# Allegro board 20250806_UNOQ.brd (continued)
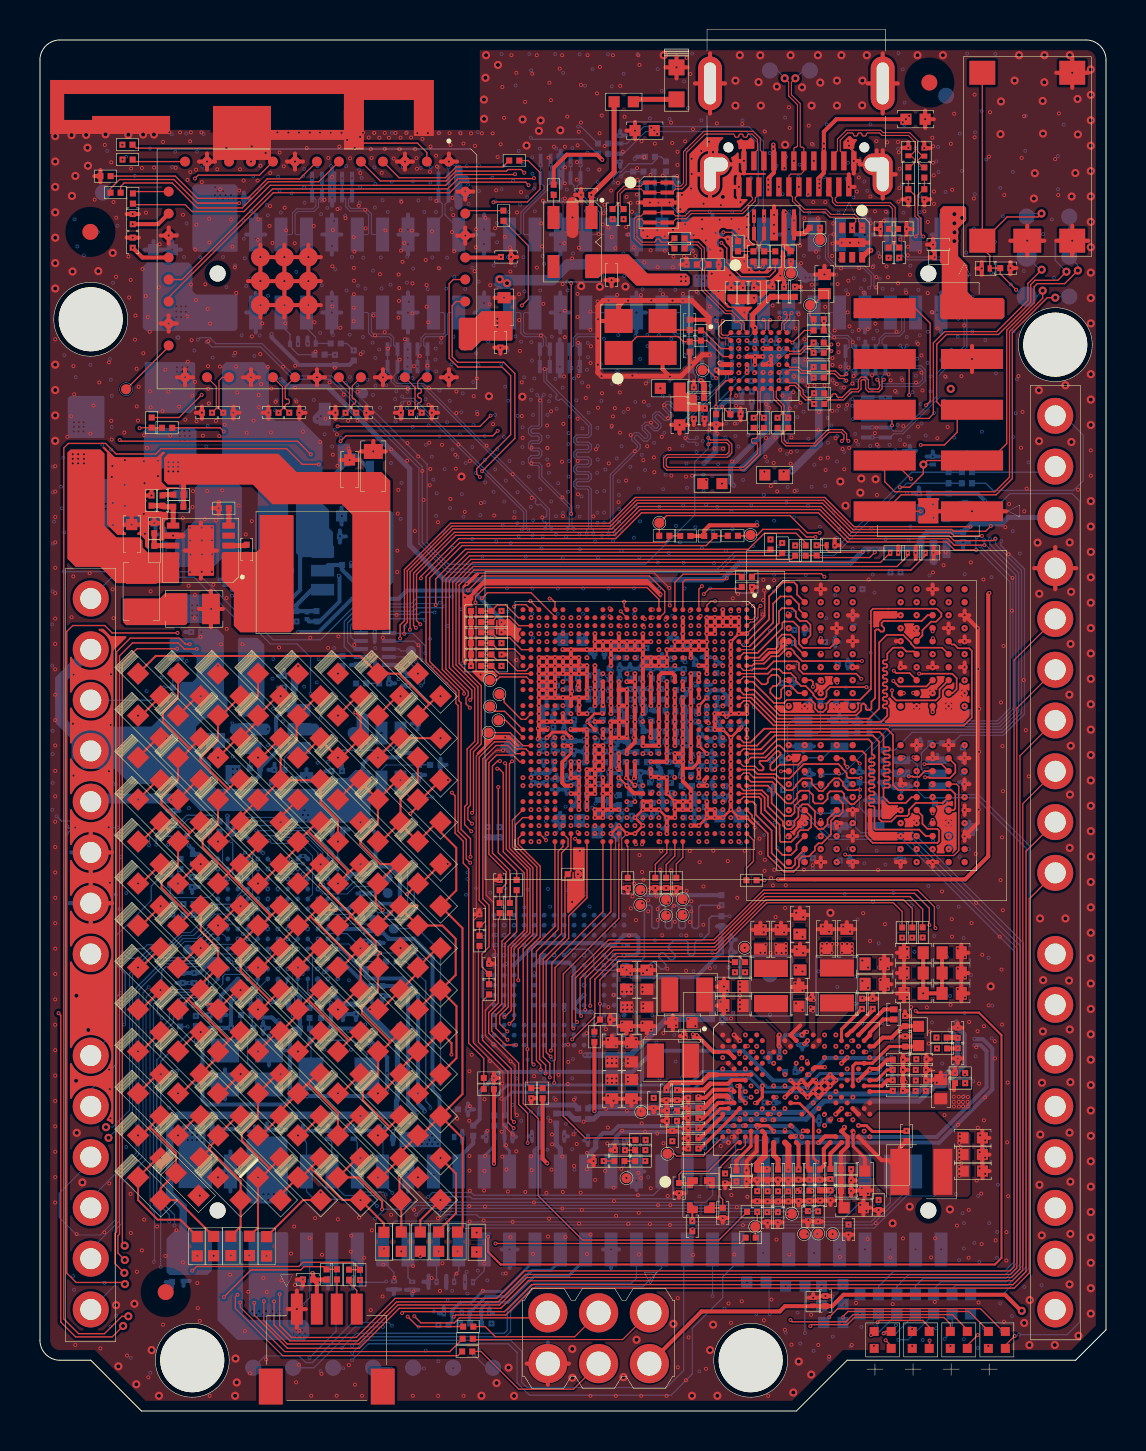
[diagram p0: board, top side]
## Routing (per net, layer and track width the routed paths; a pad name or vN(x,y) marks a point on that pad's centre or on a via; arc(x,y) is an arc through that point) (continued)
SM_RESIN_N: length 28.1
  TOP w0.066: v2(24.4,13.41) 24.4,14.89 23.95,15.34 23.95,17.4 22.45,18.9 22.45,19.93 22.93,20.41 22.93,24.6 23,24.67 R1201.1
  S3 w0.064: v2(37.85,15.7) 37.45,15.7 37.13,16.02 36.66,16.02 36.09,16.59 30.88,16.59 30.1,15.81 30.1,15.04 v2(30.05,14.99) 29.67,14.99 28.29,13.61 24.6,13.61 v2(24.4,13.41)
SM_RESIN_N_R: length 9.5
  TOP w0.066: R1201.2 C1201.1 23.34,26.4 23.34,26.97 22.46,27.85 22.46,32.43 22.84,32.81 23.67,32.81 24,32.48 SOC1.AJ20
SM_THERM: length 6.8
  S3 w0.064: v2(38.97,15.13) 38.97,15.33 39.08,15.43 39.49,15.43 40.16,14.76 40.16,14.41 40.05,14.3 40.05,14.13 41.96,12.22 v2(41.96,10.54)
SOC_BID0: length 2.8
  TOP w0.066: SOC1.AH3 23.97,39.28 23.51,39.74 22.87,39.74 R1316.1 R1315.2
SOC_BID1: length 2.5
  TOP w0.066: R1317.2 R1318.1 22.89,40.32 23.3,40.32 23.94,39.68 SOC1.AJ2
SOC_BT_UART_CTS: length 46.2
  TOP w0.064: v2(23.77,61.87) 23.75,61.85 20.84,61.85 20.3,61.31 11.51,61.31 10.2,60 7.61,60 7.27,60.34 4.71,60.34 R2906.1
  S3 w0.064: 34.04,40.4 34.04,42.52 24.91,51.65 24.91,56.57 23.89,57.59 23.89,61.75 v2(23.77,61.87)
  S3 w0.066: v2(33.77,40.08) 33.87,40.18 33.87,40.23 34.04,40.4
SOC_BT_UART_RTS: length 45.2
  TOP w0.066: SOC1.F1 33.37,40.08 33.37,40.3 33.57,40.5 v2(33.78,40.5)
  S3 w0.064: 33.89,40.62 33.89,42.44 24.75,51.58 24.75,55.97 v3(24.28,56.44) ; v3(8.44,60.12) 8.44,61.84 7.34,62.94 4.52,62.94 v2(4.12,63.34)
  S3 w0.066: 33.89,40.62 v2(33.78,40.5)
  V5 w0.064: v3(24.28,56.44) 23.67,55.83 22.46,55.83 21.57,56.72 12.31,56.72 10.14,58.89 9.67,58.89 v3(8.44,60.12)
SOC_BT_UART_RX: length 33.3
  TOP w0.064: R2901.1 24.42,62.55 25.02,61.95 25.02,61.11 24.38,60.48 22.71,60.48 v2(22.69,60.46)
  S3 w0.064: v2(32.51,40.02) 32.51,41.58 27.73,46.36 26.36,46.36 25.73,46.99 22.97,46.99 21.22,48.74 21.22,52.93 20.74,53.41 20.74,57.62 22.69,59.57 v2(22.69,60.46)
SOC_BT_UART_TX: length 24.4
  TOP w0.064: 32.97,40.35 32.97,40.08 SOC1.G1 ; v2(24.11,55.3) 24.43,55.62 24.43,58.29 R2908.1
  TOP w0.066: 32.97,40.35 32.97,41.11 v2(33.12,41.26)
  S3 w0.064: v2(24.11,55.3) 24.52,54.89 24.52,49.48 26.43,47.57 27.36,47.57 31.09,43.84 31.09,43.69 33.12,41.66 v2(33.12,41.26)
SOC_CAM_MCLK0: length 29.4
  TOP w0.05: 31.37,39.68 31.3,39.61 v2(31.3,39.58)
  TOP w0.066: v2(26.58,44.88) v2(26.58,56.42)
  S3 w0.05: 31.46,40.44 31.46,39.93 31.3,39.77 v2(31.3,39.58)
  S3 w0.064: v2(26.58,44.88) 27.92,44.88 31.46,41.34 31.46,40.44 ; v2(26.58,56.42) v3(26.58,64.25)
  S6 w0.064: v3(26.58,64.25) v5(26.93,64.25)
  BOTTOM w0.066: R2638.1 27.08,64.25 v5(26.93,64.25)
SOC_CAM_MCLK0_R: length 13.1
  BOTTOM w0.066: JMEDIA1.16 36.2,63.52 35.46,64.25 30.22,64.25 29.37,63.4 D26046.2 R2638.2
SOC_CAM_MCLK1: length 52
  TOP w0.066: v2(21.41,41.05) 22.14,41.77 30.49,41.77 31.26,41 31.26,39.95 31,39.68 SOC1.M2 ; v2(22.9,49.03) 22.65,48.78 15.31,48.78 v2(15.04,48.51)
  S3 w0.064: v3(24.31,63.81) 23.24,62.74 23.24,59.17 21.26,57.19 21.26,53.68 23.08,51.86 23.08,49.21 v2(22.9,49.03) ; v2(15.04,48.51) 15.04,47.98 15.5,47.52 15.5,45.35 18.43,42.42 20.17,42.42 21.41,41.18 v2(21.41,41.05)
  S6 w0.064: v3(24.31,63.81) 24.43,63.69 v5(24.56,63.69)
  BOTTOM w0.066: R2639.1 27.87,62.89 27.14,63.62 24.63,63.62 v5(24.56,63.69)
SOC_CAM_MCLK1_R: length 13.2
  BOTTOM w0.066: 34.92,58.85 34.92,59.38 35.94,60.4 35.94,63.4 35.34,64 30.31,64 29.2,62.89 D26047.2 R2639.2
SOC_GPIO18: length 91.6
  TOP w0.066: v2(21.79,40.44) 21.79,40.73 22.25,41.19 30.38,41.19 30.97,40.6 30.97,40.08 SOC1.M1
  S3 w0.064: v2(21.79,40.44) 21.06,40.44 v3(20.9,40.6)
  V5 w0.064: v3(0.97,41.78) 0.75,41.55 0.75,4.56 1.82,3.49 4.28,3.49 4.44,3.65 v3(5.58,3.65)
  S6 w0.064: v5(1.19,41.99) 1.18,41.99 v3(0.97,41.78) ; v5(20.62,40.74) 20.75,40.61 20.89,40.61 v3(20.9,40.6) ; v3(5.58,3.65) 6.43,4.5 8.78,4.5 10.78,2.5 13.32,2.5 v5(13.48,2.67)
  BOTTOM w0.066: JMISC1.49 14.81,7.87 D26075.2 14.81,3.99 v5(13.48,2.67) ; v5(20.62,40.74) 20.58,40.7 18.88,40.7 18.55,40.37 15.83,40.37 14.04,38.58 11.66,38.58 10.77,39.47 10.34,39.47 7.82,41.99 v5(1.19,41.99)
SOC_GPIO28: length 96.7
  TOP w0.066: v2(13.95,47.35) 13.13,47.35 12.34,48.14 6.06,48.14 5.79,47.87 3.81,47.87 3.28,48.4 1.42,48.4 1.19,48.17 1.19,4.61 1.93,3.87 3.23,3.87 4.1,4.74 v6(4.42,4.74)
  S3 w0.05: v2(30.97,38.88) 31.48,39.4 31.48,39.76 31.49,39.77 31.49,39.8 31.62,39.92 31.62,40.44
  S3 w0.064: v3(14.28,47.35) v2(13.95,47.35) ; 31.62,40.44 31.62,41.45 27.81,45.26 26.19,45.26 25.91,44.98 22.99,44.98 v3(22.05,45.92)
  S6 w0.064: v3(14.28,47.35) 14.41,47.35 15.57,46.19 17.57,46.19 18.22,45.54 21.66,45.54 v3(22.05,45.92)
  G7 w0.064: v5(13.15,5.33) 12.83,5.65 5.61,5.65 4.7,4.74 v6(4.42,4.74)
  BOTTOM w0.066: v5(13.15,5.33) 13.49,5.67 D26076.2 13.49,7.93 JMISC1.51
SOC_GPIO_0_SE0: length 39.5
  S3 w0.05: 29.58,29.47 v2(29.37,29.68) ; 29.15,28.33 29.31,28.49
  S3 w0.064: v3(14.38,15.95) 15.46,15.95 16.69,17.17 16.69,23.33 18.4,25.04 22.28,25.04 23.18,25.95 26.77,25.95 29.15,28.33 ; 29.58,29.47 29.58,28.87 29.55,28.84 29.55,28.81 29.44,28.7 29.41,28.7 29.31,28.6 29.31,28.49
  S6 w0.064: v5(21.67,6.45) 21.62,6.5 21.62,7.64 14.38,14.88 v3(14.38,15.95)
  BOTTOM w0.066: v5(21.67,6.45) 22.22,7 JMISC1.37
SOC_GPIO_1_SE0: length 39.4
  S3 w0.05: v2(29.37,29.28) 29.17,29.08 29.17,28.54 28.96,28.33 28.87,28.33
  S3 w0.064: 28.87,28.33 26.63,26.1 23.11,26.1 22.21,25.2 18.29,25.2 16.53,23.44 16.53,17.25 15.57,16.28 14.15,16.28 v3(13.84,15.98)
  S6 w0.064: v5(20.73,6.46) 21.09,6.82 21.09,7.95 13.84,15.2 v3(13.84,15.98)
  BOTTOM w0.066: v5(20.73,6.46) 20.73,6.79 20.95,7.01 JMISC1.39
SOC_GPIO_2_SE0: length 40.5
  S3 w0.05: 28.61,28.33 28.79,28.51 28.79,29.5 v2(28.97,29.68)
  S3 w0.064: 28.61,28.33 26.53,26.25 23.01,26.25 22.13,25.37 18.2,25.37 16.35,23.52 16.35,17.3 15.49,16.43 13.77,16.43 v3(13.31,15.98)
  S6 w0.064: v5(19.84,6.46) 20.24,6.46 20.8,7.02 20.8,8.02 13.31,15.51 v3(13.31,15.98)
  BOTTOM w0.066: JMISC1.41 19.84,7.93 v5(19.84,6.46)
SOC_GPIO_3_SE0: length 40.2
  S3 w0.05: v2(28.57,29.68) 28.39,29.5 28.39,28.53 28.19,28.33
  S3 w0.064: 28.19,28.33 26.41,26.55 22.91,26.55 22.03,25.68 18.03,25.68 16.07,23.72 16.07,17.45 15.38,16.76 13.18,16.76 v3(12.85,16.43)
  S6 w0.064: v5(18.62,6.46) 18.62,6.98 19.44,7.8 19.44,9.16 12.85,15.75 v3(12.85,16.43)
  BOTTOM w0.066: JMISC1.43 18.41,6.67 v5(18.62,6.46)
SOC_GPIO_82_SE0: length 41.4
  S3 w0.05: 28.39,28.33 28.57,28.51 v2(28.57,29.28)
  S3 w0.064: v3(12.22,15.95) 12.29,16.03 12.9,16.03 13.49,16.61 15.44,16.61 16.22,17.38 16.22,23.64 18.11,25.53 22.09,25.53 22.96,26.4 26.46,26.4 28.39,28.33
  S6 w0.064: v3(12.22,15.95) 12.32,15.85 12.32,15.14 18.34,9.12 18.34,7.64 17.32,6.62 v5(17.32,6.48)
  BOTTOM w0.066: v5(17.32,6.48) 17.28,6.44 D26074.2 16.06,7.9 JMISC1.47
SOC_GPIO_86_SE0: length 36.9
  TOP w0.05: 28.57,28.33 SOC1.V30
  TOP w0.066: 28.57,28.33 28.57,24.97 25.77,22.18 25.77,17.57 25.73,17.53 v2(25.73,16.41)
  S3 w0.064: v3(14.36,13.64) 18.82,13.64 21.59,16.41 v2(25.73,16.41)
  S6 w0.064: v3(14.36,13.64) 14.48,13.64 18.48,9.64 18.48,7.56 17.71,6.79 v5(17.71,6.48)
  BOTTOM w0.066: JMISC1.45 17.14,7.5 17.71,6.94 v5(17.71,6.48)
SOC_GPIO_98: length 85.6
  TOP w0.066: v2(6.88,38.92) 3.61,38.92 3.24,39.29 1.64,39.29 1.34,38.99 1.34,6.9 1.81,6.43 4.17,6.43 v6(4.25,6.35)
  G2 w0.064: v2(25.39,30.88) 24.99,31.28 v1(24.97,31.28)
  S3 w0.064: v2(6.88,38.92) 6.88,38.55 8.73,36.7 10.2,36.7 13.6,33.29 19.11,33.29 22.31,30.09 24.6,30.09 v2(25.39,30.88)
  G7 w0.064: v6(4.25,6.35) 4.53,6.07 16.55,6.07 18.3,7.82 18.3,10.24 v5(17.63,10.91)
  BOTTOM w0.066: v5(17.63,10.91) 17.14,11.4 17.14,11.98 17.16,12 17.16,13.46 D26091.2
SOC_GPIO_99: length 78.9
  TOP w0.066: v6(4.22,6.91) 3.75,7.38 3.75,8.87 3.84,8.96 3.84,37.98 4.52,38.66 6.97,38.66 7.27,38.36 v2(7.49,38.36)
  G2 w0.064: v1(24.57,31.28) v2(24.57,30.84)
  S3 w0.064: v2(24.57,30.84) 24.57,30.74 24.07,30.24 22.37,30.24 19.17,33.44 13.66,33.44 10.26,36.85 8.8,36.85 7.49,38.15 v2(7.49,38.36)
  G7 w0.064: v6(4.22,6.91) 4.33,6.91 5.05,6.19 16.44,6.19 18.14,7.89 18.14,9.99 v5(17.3,10.83)
  BOTTOM w0.066: D26092.2 15.69,13.62 15.87,13.44 15.87,11.24 16.16,10.95 17.18,10.95 v5(17.3,10.83)
SOC_GPIO_100: length 77.4
  TOP w0.066: v2(7.84,38.12) 7.22,38.12 6.92,38.42 4.63,38.42 3.98,37.77 3.98,8.85 3.9,8.77 3.9,7.9 v6(4.25,7.55)
  G2 w0.064: v1(24.17,31.28) v2(24.17,30.85)
  S3 w0.064: v2(7.84,38.12) 8.92,37.04 10.29,37.04 13.73,33.6 19.21,33.6 22.43,30.38 23.98,30.38 24.17,30.57 v2(24.17,30.85)
  G7 w0.064: v5(16.94,10.65) 17.24,10.35 17.24,7.17 16.39,6.32 5.48,6.32 v6(4.25,7.55)
  BOTTOM w0.066: v5(16.94,10.65) 16.81,10.78 15.24,10.78 14.6,11.42 14.6,13.44 14.42,13.62 D26093.2
SOC_GPIO_101: length 79.6
  TOP w0.066: v2(6.86,38.13) 4.85,38.13 4.12,37.4 4.12,8.39 v6(4.24,8.27)
  G2 w0.064: v1(25.77,31.68) v2(25.77,31.3)
  S3 w0.064: v2(6.86,38.13) 8.56,36.43 10.22,36.43 13.53,33.12 19.04,33.12 22.24,29.92 24.82,29.92 25.77,30.87 v2(25.77,31.3)
  G7 w0.064: v5(16.86,10.26) 17.1,10.02 17.1,7.23 16.33,6.46 5.59,6.46 4.77,7.28 4.77,7.74 v6(4.24,8.27)
  BOTTOM w0.066: D26094.2 13.15,13.62 13.33,13.44 13.33,10.99 13.73,10.59 16.53,10.59 v5(16.86,10.26)
SOC_I2S_D0: length 29.6
  TOP w0.064: v2(21.22,35.88) 21.22,36 20.13,37.09 20.13,41.67 21.41,42.95 36.42,42.95 36.55,43.09
  S3 w0.064: v2(21.22,35.88) 21.25,35.85 21.6,35.85 22.6,34.85 22.6,32.09 22.79,31.9 23.01,31.9 23.22,31.68 v2(24.17,31.68)
SOC_I2S_D0_R: length 9.8
  G2 w0.064: v2(36.37,51.69) 36.37,51.74 v1(36.53,51.89)
  S3 w0.064: v2(36.37,51.69) 36.37,51.41 36.02,51.05 35.46,51.05 35.1,50.7 35.1,46.81 36.55,45.36 v2(36.55,43.6)
SOC_I2S_SCK: length 31.7
  TOP w0.064: v2(21.51,35.18) 21.32,35.37 21.32,35.67 21.43,35.78 21.43,35.99 20.31,37.11 20.31,41.6 21.49,42.78 37,42.78 R3016.1
  S3 w0.064: v2(25.37,31.68) 25.16,31.47 24.62,31.47 24.39,31.25 23.24,31.25 22.97,31.52 22.67,31.52 22.21,31.98 22.21,34.73 21.76,35.18 v2(21.51,35.18)
SOC_I2S_SCK_R: length 10.4
  S3 w0.064: v2(37,51.97) 36.58,51.54 36.58,51.16 36.25,50.83 35.61,50.83 35.27,50.48 35.27,46.87 36.71,45.43 36.71,43.85 v2(37.14,43.42)
SOC_I2S_WS: length 30.8
  TOP w0.064: R3017.1 37.6,42.6 21.56,42.6 20.48,41.52 20.48,37.19 21.61,36.06 21.61,35.65 v2(21.53,35.57)
  S3 w0.064: v2(24.57,31.68) 24.33,31.44 23.25,31.44 22.98,31.71 22.72,31.71 22.39,32.04 22.39,34.85 21.65,35.59 21.55,35.59 v2(21.53,35.57)
SOC_I2S_WS_R: length 10.3
  S3 w0.064: v2(36.97,51.54) 36.97,51.2 36.42,50.65 35.71,50.65 35.45,50.39 35.45,46.95 36.89,45.51 36.89,44.19 v2(37.79,43.3)
SOC_LED1_BLU: length 54.7
  TOP w0.066: v2(22.11,40.66) 22.39,40.93 24.57,40.93 25.77,39.73 SOC1.AE2 ; v2(46.84,43.07) 45.76,43.07 45.36,43.47 40.41,43.47 38.95,44.93 30.1,44.93 28.81,43.64 20.95,43.64 19.06,41.75 v2(19.06,41.66)
  S3 w0.064: v2(19.06,41.66) 20.25,41.66 21.25,40.66 v2(22.11,40.66) ; v2(46.84,43.07) 46.84,43.3 v3(46.78,43.36)
  S6 w0.064: v3(46.78,43.36) 46.95,43.36 v5(47.05,43.26)
  BOTTOM w0.066: v5(47.05,43.26) 47.05,43.26 48.68,41.63 48.68,35.1 47.96,34.38 41.58,34.38 R2714.1
SOC_LED1_BLU_B: length 1.5
  BOTTOM w0.066: R2714.2 C2703.1 40.85,33.9 Q2708.2
SOC_LED1_BLU_C: length 42.3
  BOTTOM w0.066: R2725.2 41.95,6.22 42.73,7 48.28,7 48.76,7.48 48.76,22.98 43.15,28.59 39.48,28.59 37.7,30.37 37.7,32.6 37.4,32.9 37.4,34.3 37.65,34.55 Q2708.6
SOC_LED1_BLU_D: length 3.8
  TOP w0.066: v2(41.91,4.44) 42,4.53 44.17,4.53 44.49,4.21 D27301.3
  S3 w0.064: v2(41.91,4.44) 41.79,4.44 v3(41.61,4.62)
  S6 w0.064: v3(41.61,4.62) 41.84,4.85 v5(41.95,4.85)
SOC_LED1_GRN: length 54.7
  TOP w0.066: v2(47.8,43.64) 47.7,43.54 45.73,43.54 45.49,43.78 40.54,43.78 39.08,45.24 29.97,45.24 28.68,43.95 20.74,43.95 18.69,41.9 18.69,39.3 v2(18.81,39.18)
  S3 w0.064: v2(18.81,39.18) 18.89,39.1 24.02,39.1 24.2,39.28 v2(25.37,39.28) ; v2(47.8,43.64) 47.94,43.64 48.1,43.8 v3(48.1,43.82)
  S6 w0.064: v3(48.1,43.82) v5(48.1,43.52)
  BOTTOM w0.066: v5(48.1,43.52) 48.08,43.5 48.08,43.29 49.26,42.11 49.26,34.86 48.2,33.8 46.05,33.8 R2713.1
SOC_LED1_GRN_B: length 3
  BOTTOM w0.066: Q2707.5 44.3,31.9 44.1,32.1 44.1,32.9 44.55,33.35 C2702.1 R2713.2
SOC_LED1_GRN_C: length 34.2
  BOTTOM w0.066: R2724.2 45.64,6.12 45.8,6.28 48.41,6.28 49.34,7.21 49.34,28.16 46.83,30.67 44.27,30.67 43.9,31.04 43.9,32.3 43.65,32.55 Q2707.3
SOC_LED1_GRN_D: length 2.6
  TOP w0.066: D27301.4 44.51,3.13 v2(44.51,3.52)
  S3 w0.064: v2(44.51,3.52) 44.76,3.52 v3(44.85,3.61)
  S6 w0.064: v3(44.85,3.61) v5(45.27,3.61)
  BOTTOM w0.066: R2724.1 45.64,3.98 v5(45.27,3.61)
SOC_LED1_RED: length 57
  TOP w0.066: v2(47.26,43.31) 45.75,43.31 45.43,43.63 40.48,43.63 39.02,45.09 30.03,45.09 28.74,43.8 20.8,43.8 18.84,41.84 18.84,39.54 v2(19.03,39.35)
  S3 w0.064: v2(19.03,39.35) 19.14,39.24 23.92,39.24 24.13,39.45 24.73,39.45 v2(24.97,39.68) ; v2(47.26,43.31) 47.61,43.31 v3(47.65,43.27)
  S6 w0.064: v3(47.65,43.27) 47.65,43.46 v5(47.81,43.62)
  BOTTOM w0.066: R2712.1 42.75,33.05 43.65,33.95 48.14,33.95 49.11,34.92 49.11,42.05 47.81,43.35 v5(47.81,43.62)
SOC_LED1_RED_B: length 1.5
  BOTTOM w0.066: Q2707.2 43.05,31.95 C2701.1 R2712.2
SOC_LED1_RED_C: length 30.4
  BOTTOM w0.066: R2723.2 48.16,5.82 49.49,7.15 49.49,28.3 46.95,30.84 45.83,30.84 45.41,31.25 Q2707.6
SOC_LED1_RED_D: length 3.3
  S3 w0.064: v2(43.64,4.1) 43.93,4.39 46.25,4.39 v3(46.3,4.44)
  S6 w0.064: v3(46.3,4.44) 46.56,4.7 v5(46.56,4.85)
SOC_LED2_BLU: length 60.3
  TOP w0.066: v2(18.23,38.88) 18.23,39.3 18.38,39.45 18.38,42.03 20.61,44.26 28.55,44.26 29.84,45.55 39.21,45.55 40.67,44.09 45.62,44.09 45.71,44 47.31,44 v2(47.58,44.27)
  S3 w0.064: v3(47.69,44) 47.58,44.11 v2(47.58,44.27) ; v2(24.57,38.88) 24.46,38.77 18.34,38.77 v2(18.23,38.88)
  S6 w0.064: v3(47.69,44) 47.69,43.92 47.53,43.76 v5(47.53,43.62)
  BOTTOM w0.066: v5(47.53,43.62) 47.53,43.36 48.97,41.92 48.97,34.98 48.08,34.09 42.69,34.09 41.6,33 R2717.1
SOC_LED2_BLU_B: length 2.8
  BOTTOM w0.066: R2717.2 C2706.1 41,30.2 41.3,29.9 Q2709.5
SOC_LED2_BLU_C: length 34.6
  BOTTOM w0.066: Q2709.3 40.35,30.55 40.8,30.1 40.8,29.2 41.07,28.93 43.38,28.93 49.06,23.26 49.06,7.37 48.33,6.64 44.19,6.64 43.8,6.25 R2728.2
SOC_LED2_BLU_D: length 3
  TOP w0.066: D27302.3 42.3,3.98 42.22,3.9 v2(42.22,3.88)
  S3 w0.064: v2(42.22,3.88) 42.03,3.7 v3(41.98,3.7)
  S6 w0.064: v3(41.98,3.7) 42.06,3.7 v5(42.25,3.89)
  BOTTOM w0.066: v5(42.25,3.89) 42.83,3.89 R2728.1
SOC_LED2_GRN: length 61.4
  TOP w0.066: v2(47.13,43.77) 45.74,43.77 45.56,43.95 40.61,43.95 39.15,45.41 29.9,45.41 28.61,44.12 20.67,44.12 18.52,41.97 18.52,39.09 v2(18.51,39.08)
  S3 w0.064: v2(18.51,39.08) 18.65,38.94 24.09,38.94 24.27,39.12 24.73,39.12 v2(24.97,38.88) ; v2(47.13,43.77) 47.13,44.02 v3(47.17,44.06)
  S6 w0.064: v3(47.17,44.06) 47.13,44.02 47.13,43.71 47.24,43.6 v5(47.24,43.56)
  BOTTOM w0.066: R2716.1 40.15,31.85 42.53,34.23 48.02,34.23 48.83,35.04 48.83,41.81 47.24,43.4 v5(47.24,43.56)
SOC_LED2_GRN_B: length 3.3
  BOTTOM w0.066: Q2709.2 38.9,29.9 38.5,30.3 C2705.1 R2716.2
SOC_LED2_GRN_C: length 31.2
  BOTTOM w0.066: Q2709.6 41.96,29.09 43.53,29.09 49.2,23.43 49.2,7.31 48.36,6.47 45.09,6.47 44.72,6.1 R2727.2
SOC_LED2_GRN_D: length 3.6
  TOP w0.066: D27302.4 42.59,3.26 v2(42.31,3.54)
  S3 w0.064: v2(42.31,3.54) 42.5,3.54 v3(42.62,3.66)
  S6 w0.064: v5(42.95,3.56) 42.85,3.66 v3(42.62,3.66)
  BOTTOM w0.066: R2727.1 43.43,3.56 v5(42.95,3.56)
SOC_LED2_RED: length 60.2
  TOP w0.066: v2(46.56,44.24) 40.73,44.24 39.27,45.7 29.78,45.7 28.49,44.41 20.55,44.41 18.24,42.09 18.24,39.54 18.02,39.32 v2(18.02,38.65)
  S3 w0.064: v2(18.02,38.65) 18.05,38.62 25.11,38.62 v2(25.37,38.88) ; v3(46.7,43.96) 46.7,44.1 v2(46.56,44.24)
  S6 w0.064: v5(46.87,43.72) 46.87,43.79 v3(46.7,43.96)
  BOTTOM w0.066: R2715.1 41.2,35.4 42.08,34.52 47.9,34.52 48.54,35.16 48.54,41.47 46.83,43.18 46.83,43.71 46.84,43.72 v5(46.87,43.72)
SOC_LED2_RED_B: length 3.1
  BOTTOM w0.066: Q2708.5 38.9,33.9 39.05,34.05 C2704.1 R2715.2
SOC_LED2_RED_C: length 41
  BOTTOM w0.066: R2726.2 42.87,6.23 43.45,6.81 48.3,6.81 48.9,7.41 48.9,23.13 43.27,28.76 39.54,28.76 37.9,30.4 37.9,32.2 38.38,32.68 39.19,32.68 39.76,33.25 Q2708.3
SOC_LED2_RED_D: length 2.7
  TOP w0.066: v5(41.58,3.8) 41.74,3.96 D27302.2
  S3 w0.064: v5(41.58,3.8) v3(41.21,3.8)
  S6 w0.064: v3(41.21,3.8) v5(41.58,3.8)
  BOTTOM w0.066: v5(41.58,3.8) 41.82,3.8 R2726.1
SOC_MCU_LPUART1_CTS: length 41.3
  S3 w0.064: v3(6.6,18.16) 7.71,17.05 15.26,17.05 15.78,17.57 15.78,23.97 17.82,26.01 21.94,26.01 22.78,26.85 26.24,26.85 27.96,28.57 27.96,29.07 27.79,29.24 27.79,29.25 v2(27.76,29.25)
  S6 w0.064: v3(6.6,18.16) 6.6,23.24 7.04,23.67 7.04,25.55 6.48,26.11 6.48,27.18 v5(6.54,27.24)
  BOTTOM w0.064: R2502.2 6.91,27.61 v5(6.54,27.24)
SOC_MCU_LPUART1_RTS: length 26
  S3 w0.064: v2(27.37,29.28) 27.16,29.08 27.16,28.73 25.88,27.45 22.46,27.45 21.95,26.95 19.3,26.95 17.55,28.7 7.51,28.7 v3(6.81,28)
  S6 w0.064: v5(6.62,25.34) 6.52,25.44 6.52,25.5 6.02,26 6.02,27.29 6.73,28 v3(6.81,28)
SOC_MCU_LPUART1_RX: length 42.1
  S3 w0.064: v3(19.35,16.26) 18.85,16.26 18.19,15.6 12.04,15.6 11.35,16.28 6.15,16.28 v3(5.71,16.71) ; v2(26.97,29.28) 26.78,29.1 26.58,29.1 25.43,27.95 21.4,27.95 20.98,27.53 19.83,27.53 v3(19.74,27.44)
  S6 w0.064: v5(6.63,24.36) 6.63,23.67 6.43,23.47 6.43,20.5 5.49,19.56 5.49,17.04 5.71,16.81 v3(5.71,16.71) ; v3(19.74,27.44) 19.78,27.44 19.94,27.29 19.94,16.84 v3(19.35,16.26)
SOC_MCU_LPUART1_TX: length 23
  S3 w0.05: v2(27.37,29.68) 27.55,29.5 27.55,28.62
  S3 w0.064: 27.55,28.62 26.08,27.15 22.61,27.15 21.8,26.34 14.17,26.34 14.07,26.24 v3(6.96,26.24)
  S6 w0.064: v5(6.96,26.52) v3(6.96,26.24)
SOC_UART_RX_SE4: length 61.8
  TOP w0.064: v6(50.12,57.09) 49.43,56.4 49.43,55.55 47.87,53.99 45.26,53.99 44.7,53.43 44.7,49.88 44.47,49.65 43.03,49.65 42.63,50.05 ; 42.63,50.05 42.6,50.08 JCTL1.6 ; 42.63,50.05 v2(42.63,49.3) ; v2(21.58,29) 21.25,29.33 21.25,30.24 21.37,30.36 21.37,33.11 21.75,33.49 21.75,36.16 20.65,37.26 20.65,41.45 21.65,42.45 42.06,42.45 v2(42.54,42.93)
  S3 w0.064: v2(24.97,28.48) 24.77,28.68 23.78,28.68 23.66,28.8 21.78,28.8 v2(21.58,29) ; v2(42.63,49.3) 42.63,47.24 43.34,46.53 43.34,43.73 v2(42.54,42.93)
  BOTTOM w0.064: v6(50.12,57.09) 50.03,57.09 TP2616.1
SOC_UART_TX_SE4: length 64.3
  TOP w0.064: v6(50.17,56.04) 50.17,55.66 48.51,54 48.51,46.71 47.78,45.98 42.77,45.98 42.27,46.48 JCTL1.4 42.67,47.54 v2(43.58,46.63) ; v2(21.62,29.38) 21.41,29.59 21.41,30.17 21.53,30.29 21.53,33.04 21.91,33.42 21.91,36.23 20.82,37.32 20.82,41.39 21.67,42.24 42.88,42.24 43.42,42.78 v2(43.42,42.93)
  S3 w0.064: v2(43.42,42.93) 43.65,43.16 43.65,46.56 v2(43.58,46.63) ; v2(21.62,29.38) 21.83,29.17 24.47,29.17 24.76,28.88 v2(25.37,28.88)
  BOTTOM w0.064: v6(50.17,56.04) 49.88,55.75 TP2615.1
SPMI_CLK: length 24.4
  TOP w0.066: v2(23.7,14.15) 23.41,14.44 23.41,16.97 21.94,18.44 21.94,23.22 R1205.1
  S3 w0.064: v2(36.71,16.26) 36.71,16.5 36.43,16.78 30.67,16.78 27.94,14.05 23.8,14.05 v2(23.7,14.15)
SPMI_CLK_R: length 12.4
  TOP w0.066: R1205.2 C1202.1 22.13,24.34 22.29,24.49 22.29,25.23 21.98,25.54 21.98,32.71 22.74,33.47 23.48,33.47 23.83,33.12 24.31,33.12 24.55,32.88 SOC1.AH19
SPMI_DATA: length 22.2
  TOP w0.066: R1206.1 22.14,20.51 22.14,18.55 23.58,17.11 23.58,14.6 v2(23.72,14.46)
  S3 w0.064: v2(37.28,16.26) 37.13,16.26 36.47,16.92 30.56,16.92 27.86,14.22 23.96,14.22 v2(23.72,14.46)
SPMI_DATA_R: length 14.2
  TOP w0.066: SOC1.AJ19 23.81,32.88 23.4,33.29 22.82,33.29 22.16,32.63 22.16,25.62 22.47,25.31 22.47,23.22 22.11,22.86 22.11,22.23 C1203.1 R1206.2
SWR_RX_CLK: length 40.3
  TOP w0.066: R502.2 43.14,24.98 42.7,25.43 36.38,25.43 33.84,22.89 28.8,22.89 27.53,21.62 v2(27.53,20.27) ; v2(23.24,19.7) 23.58,20.04 23.58,23.18 24.38,23.98 24.38,27.06 23.33,28.11 23.33,32.34 v2(23.27,32.4)
  S3 w0.064: v2(23.27,32.4) 23.42,32.26 25.02,32.26 25.18,32.42 25.18,32.56 25.26,32.64 25.26,32.78 v2(25.37,32.88) ; v2(23.24,19.7) 23.37,19.83 25.94,19.83 26.36,20.25 27.51,20.25 v2(27.53,20.27)
SWR_RX_CLK_R: length 7
  S3 w0.064: v2(43.14,23.68) 43.14,23.67 42.82,23.67 42.67,23.52 42.67,20.65 41.86,19.84 40.85,19.84 40.81,19.8 40.81,19.8 39.98,18.97 39.98,18.96 v2(39.82,18.81)
SWR_RX_DATA0: length 44
  TOP w0.066: R503.2 44.16,25.1 43.54,25.73 36.28,25.73 33.76,23.22 28.6,23.22 27.03,21.64 27.03,19.81 v2(27.08,19.76) ; v2(22.88,32.13) 22.97,32.13 23.18,31.92 23.18,27.97 24.23,26.92 24.23,24.03 23.43,23.23 23.43,20.21 23,19.78 23,19.37 v2(23.38,18.99)
  S3 w0.05: v2(25.77,32.88) 25.57,32.69 25.57,32.12 25.38,31.93 23.78,31.93
  S3 w0.064: v2(23.38,18.99) 23.44,19.05 23.61,19.05 23.87,19.31 26.07,19.31 26.52,19.76 v2(27.08,19.76) ; 23.78,31.93 23.17,31.93 22.97,32.13 v2(22.88,32.13)
SWR_RX_DATA0_R: length 8.1
  S3 w0.064: v2(44.16,23.68) 43.82,23.34 43.13,23.34 43.03,23.24 43.03,20.6 41.96,19.53 41.11,19.53 v2(39.82,18.24)
SWR_RX_DATA1: length 41.1
  TOP w0.066: v2(23.49,19.37) 23.72,19.6 23.72,23.12 24.52,23.92 24.52,27.12 23.49,28.15 23.49,32.37 v2(23.62,32.5) ; v2(27.28,20.07) 27.28,21.64 28.7,23.06 33.81,23.06 36.33,25.58 43.21,25.58 43.65,25.13 R501.2
  S3 w0.064: v2(23.49,19.37) 23.73,19.61 25.99,19.61 26.45,20.07 v2(27.28,20.07) ; v2(23.62,32.5) 23.78,32.66 25.04,32.66 25.15,32.77 25.15,33.06 v2(25.37,33.28)
SWR_RX_DATA1_R: length 8.7
  S3 w0.064: v2(39.26,17.68) 39.57,17.99 39.57,18.28 40.98,19.68 41.94,19.68 42.85,20.6 42.85,23.39 42.93,23.47 43.43,23.47 v2(43.64,23.68)
SWR_TX_CLK: length 44
  TOP w0.066: v2(23.82,18.31) 23.3,18.31 22.6,19.01 22.6,19.86 23.11,20.37 23.11,23.5 23.51,23.9 R1301.2 ; v2(26.69,19.13) 26.62,19.2 26.62,21.74 28.45,23.57 33.72,23.57 36.21,26.06 43.92,26.06 44.75,25.22 44.75,24.21 v2(44.81,24.16)
  S3 w0.064: v2(44.81,24.16) 44.7,24.16 44.51,23.96 44.51,23.54 43.89,22.92 43.89,20.84 43.35,20.29 43.09,20.29 42.08,19.29 42.08,19.29 42.04,19.25 41.16,19.25 40.13,18.23 40.13,18.17 ; v2(26.69,19.13) 26.36,18.8 24.15,18.8 23.82,18.47 v2(23.82,18.31)
  S3 w0.066: v2(40.13,17.96) 40.13,18.17
SWR_TX_CLK_R: length 10.6
  TOP w0.066: R1301.1 23.51,27.04 22.64,27.91 22.64,32.26 22.89,32.51 v2(23.01,32.51)
  S3 w0.05: v2(25.37,32.48) 25.37,32.26 25.21,32.1 23.78,32.1
  S3 w0.064: v2(23.01,32.51) 23.01,32.3 23.21,32.1 23.78,32.1
SWR_TX_DATA0: length 44
  TOP w0.066: R1302.2 23.85,23.97 23.27,23.39 23.27,20.26 22.82,19.81 22.82,19.14 v2(23.39,18.57) ; v2(26.87,19.46) 26.8,19.53 26.8,21.67 28.52,23.39 33.74,23.39 36.24,25.9 43.75,25.9 44.5,25.15 v2(44.5,24.31)
  S3 w0.064: v2(44.5,24.31) 44.48,24.31 44.4,24.23 44.4,23.59 43.69,22.88 43.69,21.13 43.44,20.88 43.31,20.88 43.2,20.78 43.2,20.58 43.21,20.57 42.04,19.41 41.15,19.41 40.01,18.26 40.01,18.17 40,18.17 40,18.14 39.82,17.95 v2(39.82,17.68) ; v2(23.39,18.57) 23.46,18.64 23.58,18.64 23.99,19.05 26.14,19.05 26.55,19.46 v2(26.87,19.46)
SWR_TX_DATA0_R: length 8.9
  TOP w0.066: v2(22.93,31.21) 22.93,27.93 23.85,27.01 R1302.1
  S3 w0.05: v2(25.77,32.48) 25.77,31.7 25.57,31.5
  S3 w0.064: v2(22.93,31.21) 23.04,31.1 25.17,31.1 25.57,31.5
TP_GPIO_72: length 2.4
  TOP w0.066: TP1311.1 23.52,33.93 24.17,33.28 SOC1.AH18
TP_GPIO_74: length 1.6
  TOP w0.066: TP1313.1 23.3,34.55 SOC1.AJ17
TP_GPIO_75: length 2.1
  TOP w0.066: TP1314.1 22.76,35 23.25,35 SOC1.AJ16
TP_GPIO_79: length 2.3
  TOP w0.066: SOC1.AH14 24.57,34.87 24.3,34.6 24.08,34.6 23.23,35.45 23.23,35.62 TP1310.1
TP_JTAG_SRST_N: length 51.4
  S3 w0.05: 25.53,28.33 26.17,28.97 v2(26.17,29.28)
  S3 w0.064: v3(19.84,27.86) 21.03,27.86 21.27,28.1 25.29,28.1 25.53,28.33 ; v3(10.72,15.39) 11.35,14.76 17.88,14.76 v3(18.21,15.09)
  S6 w0.064: v5(17.61,4.27) 17.61,4.42 16.58,5.45 16.58,7.94 11.66,12.86 11.66,14.45 v3(10.72,15.39) ; v3(18.21,15.09) 18.21,15.27 18.82,15.88 19.53,15.88 19.74,16.08 19.74,16.38 20.09,16.74 20.09,27.8 20.03,27.86 v3(19.84,27.86)
  BOTTOM w0.066: TP1207.1 11.26,2.75 12.96,2.75 13.29,2.42 13.63,2.42 15.64,4.43 17.45,4.43 v5(17.61,4.27)
TP_JTAG_TCK: length 44.9
  TOP w0.066: v2(25.05,17.07) 25.05,17.32 24.84,17.53 24.84,23 25.93,24.09 25.93,27.99 26.17,28.23 26.17,28.48
  S3 w0.066: v3(11.18,14.15) 11.43,14.4 18.78,14.4 21.45,17.07 v2(25.05,17.07)